# Altium PCB bio_dnt_#1.PcbDoc (part 1 of 2) (continued)
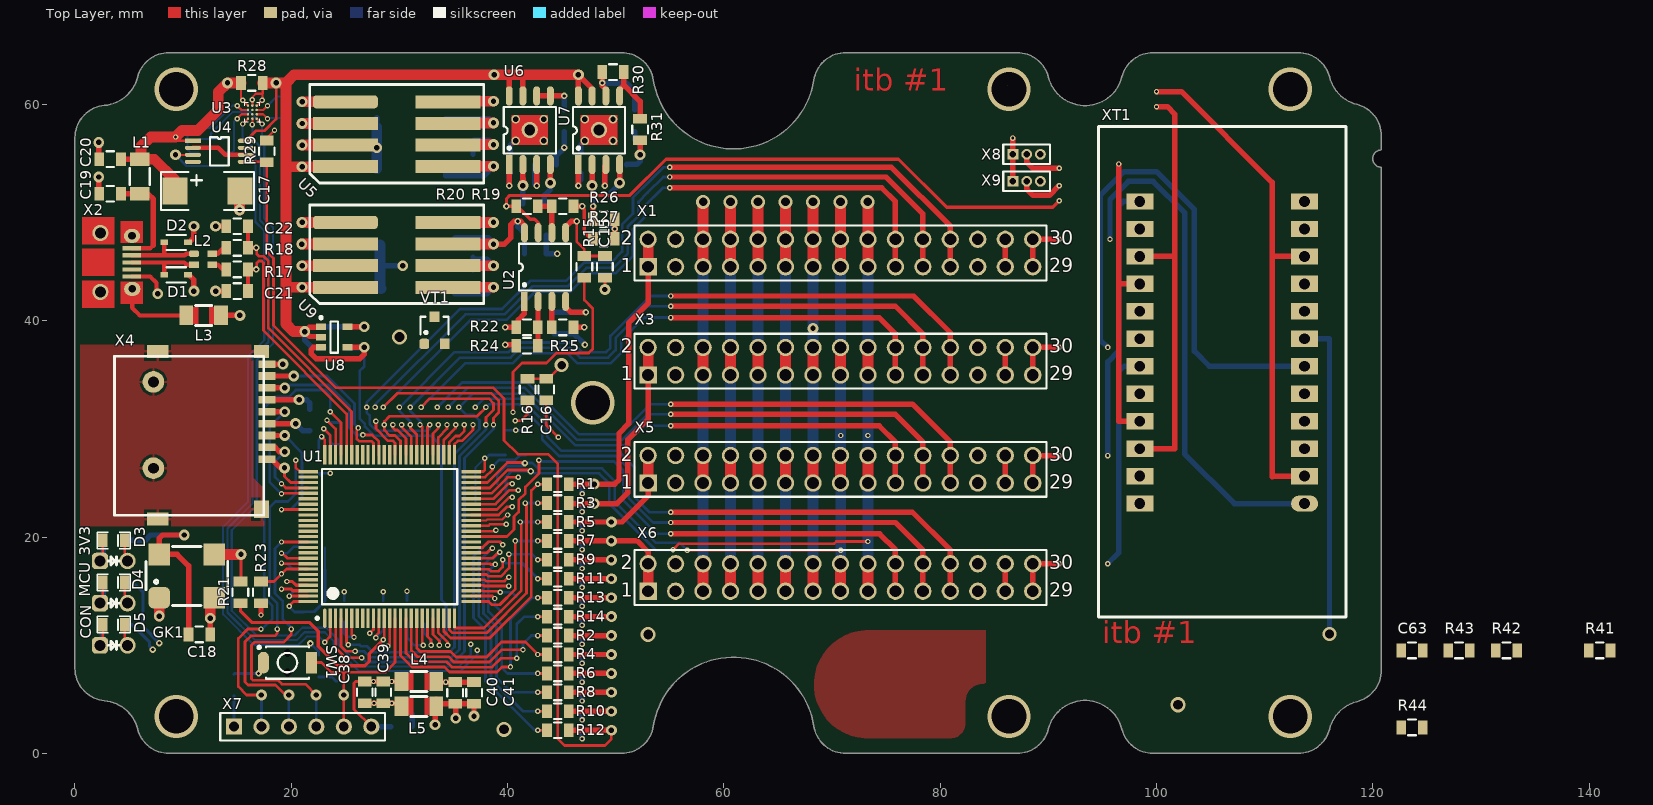
[diagram p0: Top Layer view]
## Footprints (in the part's own frame and the unit in brackets; to place one, negate y for a bottom-side part, rotate by r counter-clockwise, add the part's x,y. Pads: shape width x height; smd on the part's side, far side on the other; paste and mask are expansions set on the pad) (continued)
C_SMD_SIZE_C [mm]
  rect 2.3x2.5 smd: 1(0,0) 2(6,0)
  silkscreen extent -1.3,-1.75 7.3,1.75, body extent 0,-1.6 6,1.6, height 2.54
C_SMD_size_C [mm]
  rect 2.3x2.5 smd: 1(0,0) 2(6,0)
  silkscreen extent -1.3,-1.75 7.3,1.75, body extent 0,-1.6 6,1.6, height 2.54
CR-0805 [mil]
  rect 35x50 smd: 1(0,0) 2(78.74,0)
  silkscreen extent 26,-29 53,29, body extent 1,-25 80,25, height 17
CR-1206 [mm]
  rect 1.27x1.8 smd: 1(0,0) 2(3.2,0)
  silkscreen extent 0.85,-0.92 2.35,0.92, body extent 0.01,-0.8 3.21,0.8, height 0.51
CR-1206-0805 [mm]
  rect 1.27x1.8 smd: 1(0,0) 2(3.2,0)
  Top Layer region: 2.1,-0.8 2.6,-0.8 2.6,0.8 2.1,0.8
  Top Layer region: 0.6,-0.8 1.1,-0.8 1.1,0.8 0.6,0.8
  silkscreen extent 0.85,-0.92 2.35,0.92, body extent 0,-0.81 3.2,0.81, height 2
DS-1043-24 [mm] "DIP-24 ZIF socket"
  oval 1.5x2.5 hole 1: 1(0,0)
  rect 1.5x2.5 hole 1: 2(2.54,0) 3(5.08,0) 4(7.62,0) 5(10.16,0) 6(12.7,0) 7(15.24,0) 8(17.78,0) 9(20.32,0) 10(22.86,0) 11(25.4,0) 12(27.94,0) 13(27.94,15.24) 14(25.4,15.24) 15(22.86,15.24) 16(20.32,15.24) 17(17.78,15.24) 18(15.24,15.24) 19(12.7,15.24) 20(10.16,15.24) 21(7.62,15.24) 22(5.08,15.24) 23(2.54,15.24) 24(0,15.24)
  silkscreen extent -10.49,-3.83 34.88,19.07, body extent -10.5,-4.82 34.8,19.07, height 23.1
DSBGA-12 [mm] "1.65x1.39x0.62"
  round 0.225 smd mask+0.05: A1(0,0) A2(0.4,0) A3(0.8,0) B1(0,-0.4) B2(0.4,-0.4) B3(0.8,-0.4) C1(0,-0.8) C2(0.4,-0.8) C3(0.8,-0.8) D1(0,-1.2) D2(0.4,-1.2) D3(0.8,-1.2)
  silkscreen extent -0.35,-1.5 1.1,0.35, body extent -0.2,-1.4 1,0.21, height 0.66
HDR1X6 [mm] "Connector; Header; 6 Position"
  rect 1.5x1.5 hole 0.9: 1(0,0)
  round 1.5 hole 0.9: 2(2.54,0) 3(5.08,0) 4(7.62,0) 5(10.16,0) 6(12.7,0)
  silkscreen extent -1.27,-1.27 13.97,1.27
HDR2X15 [mm] "Connector; Header; 15x2 Position"
  rect 1.6x1.6 hole 1.1: 1(0,0)
  round 1.6 hole 1.1: 2(0,2.54) 3(2.54,0) 4(2.54,2.54) 5(5.08,0) 6(5.08,2.54) 7(7.62,0) 8(7.62,2.54) 9(10.16,0) 10(10.16,2.54) 11(12.7,0) 12(12.7,2.54) 13(15.24,0) 14(15.24,2.54) 15(17.78,0) 16(17.78,2.54) 17(20.32,0) 18(20.32,2.54) 19(22.86,0) 20(22.86,2.54) 21(25.4,0) 22(25.4,2.54) 23(27.94,0) 24(27.94,2.54) 25(30.48,0) 26(30.48,2.54) 27(33.02,0) 28(33.02,2.54) 29(35.56,0) 30(35.56,2.54)
  silkscreen extent -1.27,-1.27 36.83,3.81
LED-0805 [mil]
  rrect50% 60x60 hole 40: 1(-10,-75)
  rect 35x50 smd: 1(0,0) 2(80,0)
  round 60 hole 40: 2(90,-75)
  Top Layer lines w10: 0,-65 0,0 ; 80,-65 80,0
  silkscreen extent -20,-90 100,30, body extent 1,-25 80,25, height 43
LQFP100 [mm] "100-pin 14x14 mm low-profile quad package"
  oval 1.8x0.3 smd: 1(0,0)
  rect 1.8x0.3 smd: 2(0,-0.5) 3(0,-1) 4(0,-1.5) 5(0,-2) 6(0,-2.5) 7(0,-3) 8(0,-3.5) 9(0,-4) 10(0,-4.5) 11(0,-5) 12(0,-5.5) 13(0,-6) 14(0,-6.5) 15(0,-7) 16(0,-7.5) 17(0,-8) 18(0,-8.5) 19(0,-9) 20(0,-9.5) 21(0,-10) 22(0,-10.5) 23(0,-11) 24(0,-11.5) 25(0,-12) 51(15.1,-12) 52(15.1,-11.5) 53(15.1,-11) 54(15.1,-10.5) 55(15.1,-10) 56(15.1,-9.5) 57(15.1,-9) 58(15.1,-8.5) 59(15.1,-8) 60(15.1,-7.5) 61(15.1,-7) 62(15.1,-6.5) 63(15.1,-6) 64(15.1,-5.5) 65(15.1,-5) 66(15.1,-4.5) 67(15.1,-4) 68(15.1,-3.5) 69(15.1,-3) 70(15.1,-2.5) 71(15.1,-2) 72(15.1,-1.5) 73(15.1,-1) 74(15.1,-0.5) 75(15.1,0)
  rect 0.3x1.8 smd: 26(1.55,-13.55) 27(2.05,-13.55) 28(2.55,-13.55) 29(3.05,-13.55) 30(3.55,-13.55) 31(4.05,-13.55) 32(4.55,-13.55) 33(5.05,-13.55) 34(5.55,-13.55) 35(6.05,-13.55) 36(6.55,-13.55) 37(7.05,-13.55) 38(7.55,-13.55) 39(8.05,-13.55) 40(8.55,-13.55) 41(9.05,-13.55) 42(9.55,-13.55) 43(10.05,-13.55) 44(10.55,-13.55) 45(11.05,-13.55) 46(11.55,-13.55) 47(12.05,-13.55) 48(12.55,-13.55) 49(13.05,-13.55) 50(13.55,-13.55) 76(13.55,1.55) 77(13.05,1.55) 78(12.55,1.55) 79(12.05,1.55) 80(11.55,1.55) 81(11.05,1.55) 82(10.55,1.55) 83(10.05,1.55) 84(9.55,1.55) 85(9.05,1.55) 86(8.55,1.55) 87(8.05,1.55) 88(7.55,1.55) 89(7.05,1.55) 90(6.55,1.55) 91(6.05,1.55) 92(5.55,1.55) 93(5.05,1.55) 94(4.55,1.55) 95(4.05,1.55) 96(3.55,1.55) 97(3.05,1.55) 98(2.55,1.55) 99(2.05,1.55) 100(1.55,1.55)
  silkscreen extent -0.12,-12.25 13.8,0.82, body extent -0.52,-14.07 15.62,2.07, height 1.62
MHDR1X3 [mm] "Connector; Header; 3 Position"
  rect 1x1 hole 0.6: 1(0,0)
  round 1 hole 0.6: 2(1.27,0) 3(2.54,0)
  silkscreen extent -0.9,-0.9 3.44,0.9
MSOP-8 [mm]
  rect 1.5x0.38 smd: 1(0,0)
  oval 1.5x0.38 smd: 2(0,-0.65) 3(0,-1.3) 4(0,-1.95) 5(4.9,-1.95) 6(4.9,-1.3) 7(4.9,-0.65) 8(4.9,0)
  silkscreen extent 1.58,-2.28 3.32,0.33, body extent -0.06,-2.47 4.96,0.53, height 12
"SD-CARD HOLDER" [mm] "SD-card"
  rect 0.7x1.6 smd: 1(2.225,10.5) 2(1.125,10.5) 3(0.025,10.5) 4(-1.075,10.5) 5(-2.175,10.5) 6(-3.275,10.5) 7(-4.375,10.5) 8(-5.475,10.5) Gd(-6.575,10.5)
  rect 1.2x1.4 smd: MP0(-7.75,10)
  rect 1.2x2 smd: MP0(-7.75,0.4) MP0(7.75,0.4)
  round 2 hole 1: MP0(-4.93,0) MP0(3.05,0)
  rect 1.6x1.4 smd: MP0(6.85,10)
  silkscreen extent -7.3,-3.6 7.4,10.2, body extent -8,-3.97 8,11.27, height 1.93
SJMP-3 [mm]
  rect 1.2x1 smd: 1(0,0) 2(0,1.25) 3(0,2.5)
  silkscreen extent -0.8,-0.7 0.8,3.2
SOD-323 [mm] "SC-76 plastic surface mounted package; 2 leads"
  rect 0.5x0.7 smd: 1(0,0) 2(0,2.2)
  silkscreen extent -0.7,0.2 0.7,2, body extent -0.68,-0.2 0.67,2.4, height 1.1
SOIC-8 [mil]
  rect 23.62x70 smd: 1(0,0)
  oval 25x70 smd: 2(50,0) 3(100,0) 4(150,0) 5(150,250) 6(100,250) 7(50,250) 8(0,250)
  silkscreen extent -20,40 170,210, body extent -31,-41 181,289, height 90
"SOIC-8 + EXPOSED PAD" [mm]
  round 0.8 hole 0.5: 0(0.6,2.2) 0(0.6,4.2) 0(3.2,2.2) 0(3.2,4.2)
  round 1.5 hole 1: 0(1.9,3.2)
  rect 0.6x1.778 smd: 1(0,0)
  oval 0.635x1.778 smd: 2(1.27,0) 3(2.54,0) 4(3.81,0) 5(3.81,6.35) 6(2.54,6.35) 7(1.27,6.35) 8(0,6.35)
  Top Layer region: 0.2,1.8 3.6,1.8 3.6,4.6 0.2,4.6
  silkscreen extent -0.51,1.02 4.32,5.33, body extent -0.79,-1.05 4.59,7.35, height 2.28
SOT-23 [mm]
  rrect50% 0.9x0.95 smd: 1(-0.95,-1.25)
  rect 0.9x0.95 smd: 2(0.95,-1.25) 3(0,1.25)
  silkscreen extent -1.3,-0.38 1.3,1.25, body extent -1.5,-1.25 1.5,1.25, height 1.08
"TDN 5 WISM" [mm] "DC/DC converter case"
  rect 6x1.2 smd: 1(0,-6) 2(0,-4) 3(0,-2) 5(9.5,-6) 6(9.5,-4) 7(9.5,-2) 8(9.5,0)
  rrect50% 6x1.2 smd: 4(0,0)
  silkscreen extent -3.3,-7.5 12.8,1.6, body extent -2.41,-7.54 11.79,1.56, height 10.13
TSOT-5 [mm]
  rect 0.95x0.6 smd: 1(0,0) 2(0,-0.95) 3(0,-1.9) 4(2.45,-1.9) 5(2.45,0)
  silkscreen extent -0.12,-2.4 1.58,0.97, body extent -0.28,-2.5 2.72,0.6, height 1.1
TVAF06 [mm] "2-Pin Switch, Push Button, SMD, Body 2.9 x 3.9 mm"
  oval 1.05x2 smd: 1(0,0)
  rect 1.05x2 smd: 2(4.45,0)
  round 0.4 hole 0.75 unplated: MH1(2.225,0.9) MH2(2.225,-0.9)
  silkscreen extent -0.52,-1.5 4.23,1.52, body extent 0.22,-1.5 4.23,1.5, height 2
"USB MICRO-BF" [mm]
  round 1.5 hole 1 mask+0.3: 0(-2.725,-2.9) 0(2.725,-2.9)
  oval 1.3x1.5 hole 0.7: 0(-2.45,0.025) 0(2.45,0.05)
  rect 0.4x1.75 smd: 1(-1.3,0) 2(-0.65,0) 3(0,0) 4(0.65,0) 5(1.3,0)
  Top Layer region: -2.3,-2
  Top Layer region: -1.8,1 -1.8,-1 -3.8,-1 -3.8,1
  Top Layer region: 3.8,1 3.8,-1 1.8,-1 1.8,1
  Top Layer region: -1.7,-1.6 -1.7,-4.6 -4.2,-4.6 -4.2,-1.6
  Top Layer region: 1.7,-1.6 1.7,-4.6 4.2,-4.6 4.2,-1.6
  Top Layer region: -1.25,-1.6 -1.25,-4.6 1.25,-4.6 1.25,-1.6
  body extent -4.02,-5.75 4.02,0.28, height 2.85

## Part data
C1 C2 C3 C4 C5 C6 C7 C8 C9 C10 C11 C12 C13 C14 C15 C16 C18 C19 C20 C21 C22 C23 C24 C25 C26 C27 C28 C29 C30 C31 C32 C33 C34 C35 C36 C37 C38 C39 C40 C41 C42 C43 C45 C47 C48 C49 C50 C51 C52 C53 C54 C55 C56 C57 C59 C61 C62 C63: library part C_smd, "Конденсатор для поверхностного монтажа", Назначение=Чип-конденсатор, Наименование="К10-79 МП0 «ВП»", Потребление, Вт=0
C17 C44 C46 C58 C60: library part C_pol_smd, "Поляризованный конеднсатор для поверхностного монтажа", Назначение="Поляризованный чип-конденсатор", Наименование="К53-68 «ВП»", Потребление, Вт=0
D1 D2: library part PESD5V0S, "Low capacitance bidirectional ESD protection diodes", Назначение="ESD защитные диоды", Наименование=PESD5V0S1BA, Потребление, Вт=0,000
GK1: library part "Crystall Oscillator", Назначение="Кварцевый генератор 7x5мм 20 МГц", Наименование=VCC1-B3B-10M, Потребление, Вт=0,01
L1 L3 L4 L5: library part L_smd, "Индуктивность для поверхностнгого монтажа", Назначение=Чип-индуктивность, Наименование=Индуктивность, Потребление, Вт=0,010
L2: library part ACM2012_USB_CM_FILTER, "USB common mode filter", Назначение="Связанная индуктивность", Наименование=ACM2012-900-2P, Потребление, Вт=0,001
R1 R2 R3 R4 R5 R6 R7 R8 R9 R10 R11 R12 R13 R14 R15 R16 R17 R18 R19 R20 R21 R22 R23 R24 R25 R26 R27 R28 R29 R30 R31 R32 R33 R34 R35 R36 R37 R38 R39 R40 R41 R42 R43 R44: library part R_smd, "Резистор для поверхностного монтажа", Назначение=Чип-резистор, Наименование="Р1-12-0.125 ОСМ", Потребление, Вт=0,001
SW1: library part Push_Button, Назначение="Push button", Наименование=TVAF06, Потребление, Вт=0,001
U1: library part STM32F405VGT, "ARM Cortex-M4 32-bit MCU+FPU, 210 DMIPS, 1024 kB Flash, 192 kB Internal RAM, 82 I/Os, 100-pin LQFP, -40 to 105 degC, Tray", I/Os (High Current)=82, Manufacturer=STMicroelectronics, Operating Frequency(F) (Processor speed) (MHz)=168, Supply Voltage(Vcc) max (V)=3.6, Supply Voltage(Vcc) min (V)=1.8, ComponentLink1Description="Manufacturer URL", ComponentLink1URL=http://www.st.com/web/en/home.html, ComponentLink2Description=Datasheet, ComponentLink2URL=http://www.st.com/st-web-ui/static/active/en/resource/technical/document/datasheet/DM00037051.pdf, ComponentLink3Description="Package Specification", ComponentLink3URL=http://www.st.com/st-web-ui/static/active/en/resource/technical/document/data_brief/DM00071938.pdf, Core="ARM Cortex-M4", D/A Converter=2x12-bit, DatasheetVersion="Rev. 4", FLASH Size (Prog) (kB)=1024, Internal RAM Size (kB)=192, Mounting Technology="Surface Mount", PackageDescription="100-Pin Low Profile Quad Flat Package, 14 x 14 mm Body, 0.5 mm Pitch", PackageReference=LQFP100, PackageVersion="Rev. 1, 06/2013", Packing=Tray, PartNumber=STM32F405VGT7, Назначение=Микроконтроллер, Наименование=STM32F405VGT7
U2: library part ADA4062-2, "Double Channel Low Supply Current Operational Amplifier, 1.4 MHz BW, 3.3 V/us SR, Industrial, 8-pin SOIC (R-8), Tube", Amplifiers Per Package=2, Input Bias Current=2pA, Input Offset Voltage=500uV, Manufacturer="Analog Devices", Code_JEDEC=MS-012-AA, ComponentLink1Description="Manufacturer URL", ComponentLink1URL=http://www.analog.com/en/index.html, ComponentLink2Description=Datasheet, ComponentLink2URL=http://www.analog.com/static/imported-files/data_sheets/ADA4062-2_4062-4.pdf, ComponentLink3Description="Package Specification", ComponentLink3URL=http://www.analog.com/static/imported-files/packages/PKG_PDF/SOIC_Narrow%20(R)/R_8.pdf, ComponentLink4Description="URL Link1", ComponentLink4URL="Reference Circuit:http://www.analog.com/en/all-operational-amplifiers-op-amps/operational-amplifiers-op-amps/ada4062-2/products/product.html#product-recommendations", DatasheetVersion="Rev. B", Generic Part Number=ADA4062-2, Iq/Amp=165uA, Mounting Technology="Surface Mount", PackageDescription="8-Pin Standard Small Outline Package, Body 3.9 x 4.9 mm, Pitch 1.27 mm", PackageReference=R-8, PackageVersion=060506-A, PartNumber=ADA4062-2ARZ, Slew Rate=3.3V/us, Small Signal Bandwidth=1.4MHz, V Span Max=36V, V Span Min=8V, Назначение="Сдвоенный операционный усилитель", Наименование=ADA4062-2
U3: "High- or Low-Side Measurement, Bidirectional Current and Power Monitor With 1.8-V I2C Interface", Назначение="Монитор параметров питания", Наименование=INA231, Потребление, Вт=0,001
U4: "Current Shunt Monitor", Назначение="Токовый датчик", Наименование=AD8212, Потребление, Вт=0,01
U5 U9: "DC/DC converter", Назначение="DC-DC преобразователь"
  U5: Наименование="TDN 5-0921 WISM"
  U9: Наименование="TDN 5-0923 WISM"
U6: "800 mA Ultralow Noise, High PSRR, RF Linear Regulator", Назначение="Линейный регулятор", Наименование=ADM7150ARDZ-3.3, Потребление, Вт=0,1
U7: "800 mA Ultralow Noise, High PSRR, Adjustable, RF Linear Regulator", Назначение="Линейные регулятор, подстраевыемый", Наименование=ADM7151ARDZ, Потребление, Вт=0,1
U8: library part ADR39x, "Micropower, Low Noise Precision Voltage Reference with Shutdown, 2.5 V Output, 2.8 to 15 V Supply, Industrial, 5-pin SOT23 (UJ-5), Reel", Manufacturer="Analog Devices", Operating Temp Range="-40 to 125 degC", PartNumber=ADR391BUJZ-REEL7, Code_JEDEC=MO-193-AB, ComponentLink1Description="Manufacturer URL", ComponentLink1URL=http://www.analog.com/en/index.html, ComponentLink2Description=Datasheet, ComponentLink2URL=http://www.analog.com/static/imported-files/data_sheets/ADR391_392_395.pdf, ComponentLink3Description="Package Specification", ComponentLink3URL=http:/www.analog.com/static/imported-files/packages/PKG_PDF/TSOT(UJ)/UJ_5.pdf, ComponentLink4Description="URL Link1", ComponentLink4URL="Product URL:http://www.analog.com/en/special-linear-functions/voltage-references/adr391/products/product.html", DatasheetVersion="Rev. H", Max V Supply (V)=15, Min V Supply (V)=2.8, Mounting Technology="Surface Mount", PackageDescription="5-Pin Thin Small Outline Transistor Package, Body 2.9 x 1.6 mm, Pitch 0.95 mm", PackageReference=UJ-5, PackageVersion="100708-A, 10/2008", Packing=Reel, Ref Out TC (ppm/C)=9, Vout=2.5, Назначение="Источник опорного напряжения", Наименование=ADR390, Потребление, Вт=0,001
VT1: "General Purpose Transistor, NPN Silicon, 3-Pin SC70, Tape and Reel", Manufacturer="On Semiconductor", ComponentLink1Description="Manufacturer URL", ComponentLink1URL=http://www.onsemi.com/, ComponentLink2Description=Datasheet, ComponentLink2URL=http://www.onsemi.cn/pub_link/Collateral/BC846AWT1-D.PDF, ComponentLink3Description="Package Specification", ComponentLink3URL=http://www.onsemi.cn/pub_link/Collateral/419-04.PDF, DatasheetVersion="Rev. 9", fT Min (MHz)=100, IC Continuous (A)=0.1, Mounting Technology="Surface Mount", Note1=0, PackageDescription="3-Pin Small Outline Transistor, Body 2 x 1.25 mm, Pitch 0.65 mm", PackageReference=SC-70-3-419-04, PackageVersion="Rev. N, 11/2008", Packing="Tape and Reel", PartNumber=BC846BWT1, Polarity=NPN, RoHS=FALSE, Назначение="Транзистор NPN", Наименование=BC846W, Потребление, Вт=0,01
X1 X3 X5 X6: "Header, 15-Pin, Dual row", LatestRevisionDate=17-Jul-2002, LatestRevisionNote="Re-released for DXP Platform.", Publisher="Altium Limited", Назначение="Вилка штыревая 2.54мм 2х15 прямая", Наименование=PLD-30
X2: library part MicroUSB, "USB mico-BF", Назначение="Разъем на плату", Наименование=Micro-BF
X4: library part "SD-card holder", "SD-card holder", Назначение="Слот под SD-карту", Наименование=SD-card
X7: "Header, 6-Pin", LatestRevisionDate=17-Jul-2002, LatestRevisionNote="Re-released for DXP Platform.", Publisher="Altium Limited", Назначение="Отладочный разъем", Наименование=PLS-6
X8 X9 X10 X11: "Header, 3-Pin", LatestRevisionDate=17-Jul-2002, LatestRevisionNote="Re-released for DXP Platform.", Publisher="Altium Limited", Назначение="Вилка штыревая 2мм 1х3 прямая", Наименование=PLS2-3
XT1: "DIP-24 Zero Insertion Force (ZIF) socket", Назначение="Панель с нулевым усилием (ZIF) для DIP-24", Наименование=DS-1043-24
D3 D4 D5: Назначение=Светодиод, Наименование=SMD-LED, Потребление, Вт=0,01

## Via types
v1: diameter 0.5, hole 0.25, Top Layer to Bottom Layer, 175 vias
v2: diameter 1, hole 0.5, Top Layer to Bottom Layer, 76 vias
v3: diameter 0.6, hole 0.3, Top Layer to Bottom Layer, 27 vias
v4: diameter 1.3, hole 0.8, Top Layer to Bottom Layer, 9 vias
v5: diameter 4, hole 3.2, Top Layer to Bottom Layer, 7 vias
v6: diameter 1.4, hole 0.9, Top Layer to Bottom Layer, 4 vias

## Nets (pads, with @x,y where several pads share a name; then routed paths per layer and width w, separated by ;. In a path a pad name is that pad's centre, name@x,y a point inside that pad or via, vN(x,y) a via of type N, cw(c..) or ccw(c..) an arc to the next point about the centre after c; other vN are vias at no path point)
10MHz: GK1.3 R21.2 | length 4.8
  Top Layer w0.3: R21.2@15.35,15.95 v2(15.35,18.4)
  Top Layer w1: GK1.3@13,18.4 v2(15.35,18.4)
+0V15: C63.2 R24.2 R26.2 R27.2 X1.9 X1.10 X3.9 X3.10 X5.9 X5.10 X6.9 X6.10 | length 72.1
  Top Layer w0.5: v3(39.794,37.8) 40.7,37.8 R24.2@40.8,37.7 ; R27.2@49.9,47.7 R26.2@49.9,49.4
  Top Layer w1: X6.9@63.16,15 X6.10@63.16,17.54 ; X5.9@63.16,25 X5.10@63.16,27.54 ; X3.9@63.16,35 X3.10@63.16,37.54 ; X1.9@63.16,45 X1.10@63.16,47.54 v4(63.16,51)
  Signal Layer w0.5: v3(39.794,37.8) 39,38.594 39,40.3 40.6,41.9 44.8,41.9 49.9,47 v3(49.9,48.5) 49.9,48.6 51.1,49.8 61.96,49.8 v4(63.16,51)
  Bottom Layer w0.5: 49.6,49.4 49.6,48.8 v3(49.9,48.5)
  Bottom Layer w1: X6.10@63.16,17.54 X5.9@63.16,25 ; X5.10@63.16,27.54 X3.9@63.16,35 ; X3.10@63.16,37.54 X1.9@63.16,45
+2V048_ref: C30.2 C56.2 U1.21 U8.3 U8.4 X1.13 X1.14 X3.13 X3.14 X5.13 X5.14 X6.13 X6.14 | length 127.1
  Top Layer w0.25: U1.21@33.1,12.5 33.1,11 33.7,10.4 v1@33.7,10.05
  Top Layer w0.5: U8.3@22.75,37.55 22.05,37.55 21.85,37.35 21.85,36.95 22.29,36.51 26.335,36.51 26.75,36.925 v2(26.75,37.55) U8.4@25.2,37.55
  Top Layer w1: X6.13@68.24,15 X6.14@68.24,17.54 ; X5.13@68.24,25 X5.14@68.24,27.54 ; X3.13@68.24,35 X3.14@68.24,37.54 ; X1.13@68.24,45 X1.14@68.24,47.54 v4(68.24,51)
  Signal Layer w0.5: v2(26.75,37.55) 28.1,36.2 40.6,36.2 43,38.6 50.475,38.6 51.175,39.3 v2(68.24,39.3) 68.24,39.26 v2@68.3,39.2
  Signal Layer w1: X6.13@68.125,14.885 X6.13@68.24,15
  Bottom Layer w0.25: v2(26.75,37.55) 26.75,35.775 26.325,35.35 26.325,30.95 26.8,30.475 26.8,30.225 27.65,29.375 32.925,29.375 33.9,28.4 33.9,14.2 34.3,13.8 C30.2@34.3,12 34.3,11.1 33.7,10.5 v1(33.7,10)
  Bottom Layer w0.5: C56.2@25.2,37.525 26.725,37.525 v2(26.75,37.55)
  Bottom Layer w1: X6.14@68.24,17.54 X5.13@68.24,25 ; X5.14@68.24,27.54 X3.13@68.24,35 ; X3.14@68.24,37.54 v2(68.24,39.3) X1.13@68.24,45
+3V3: C18.2 C29.2 C31.2 C32.2 C33.2 C34.2 C35.2 C36.2 C37.2 C38.2 C39.2 C42.2 C50.2 C61.2 GK1.1 GK1.4 L4.1 R32.1 R33.1 R34.1 R35.1 R36.1 R39.1 U1.6 U1.11 U1.19 U1.28 U1.50 U1.75 U1.100 U3.B1 U6.2 X4.4 X7.6 | length 243.2
  Top Layer w0.2: U3.B1@16.8,59.1 17.4,59.1 v1(17.8,58.7)
  Top Layer w0.25: v1(19.8,13.6) 19.8,13.65 20.2,14.05 U1.100@21.55,14.05 ; v1(22.8,29.3) 23.1,29 U1.75@23.1,27.6 ; U1.6@25.6,12.5 25.6,11 25.8,10.8 v1(25.8,10.75) ; C38.2@26.8,6.65 25.946,6.65 25.8,6.504 25.8,4.08 X7.6@27.4,2.48 ; v1(27.825,10.7) 27.825,10.9 28.1,11.175 U1.11@28.1,12.5 ; U1.19@32.1,12.5 32.1,10.15 v1@32.2,10.05 ; U1.28@36.65,15.05 37.7,15.05 37.75,15 39.225,15 v1(39.325,14.9) ; U1.50@36.65,26.05 36.675,26.075 37.754,26.075 37.9,26.221 v1(37.9,27.3)
  Top Layer w0.5: v2(10.1,20.2) 8.1,20.2 7.8,19.9 GK1.4@7.8,18.4 9.445,18.4 10.504,17.341 C18.2@10.504,11.2 ; X4.4@17.75,30.5 v2(20.4,30.5) ; C38.2@26.8,6.65 v1(27.6,6.65) C39.2@28.5,6.65 v1(29.3,6.65) L4.1@30.2,6.65 ; v2(41.42,52.5) U6.2@41.42,54.45
  Top Layer w1: v2(7.8,12.7) GK1.1@7.8,14.4 ; GK1.1@7.845,14.45 GK1.1@7.85,14.445
  Signal Layer w0.2: v1(17.8,58.7) 17.9,58.7 18.775,59.575 18.775,60.675 20.3,62.2 22.2,62.2
  Signal Layer w0.25: 21.7,29.2 22.166,29.2 22.218,29.252 22.752,29.252 v1(22.8,29.3) ; 36.9,27.3 v1(37.9,27.3)
  Signal Layer w0.3: v1(27.825,10.7) 28.2,11.075 28.2,13.7
  Signal Layer w0.4: 36,15.3 38.85,15.3 39.25,14.9 v1(39.325,14.9)
  Signal Layer w0.5: v1(19.8,13.6) 20.68,13.6 21.7,14.62 ; v1(25.8,10.75) 25.8,13.7 ; 30.3,10 v1(32.2,10) ; 37.2,52.5 38,51.7 40.62,51.7 v2(41.42,52.5) 40.62,53.3 38,53.3 37.2,52.5
  Signal Layer w1.5: v2(7.8,12.7) 7.8,17.9 v2(10.1,20.2) 14.05,20.2 14.85,21 21.7,21 ; v2(20.4,30.5) 21.7,29.2 21.7,26.4 ; 22.2,62.2 23.35,61.05 23.35,54.3 25.15,52.5 32.5,52.5 ; v1(27.6,6.65) v1(29.3,6.65) 30.3,7.65 30.3,10 30.3,13.7 ; 36.9,27.3 36,26.4 36,15.3 34.4,13.7 30.3,13.7 ; 37.2,52.5 32.5,52.5 ; 21.7,21 21.7,26.4 ; 21.7,21 21.7,14.62 22.62,13.7 25.8,13.7 28.2,13.7 30.3,13.7 ; 21.7,26.4 24.9,29.6 24.9,44.9 32.5,52.5
  Bottom Layer w0.2: v1(17.8,58.7) 17.85,58.75 C42.2@19.25,58.75 ; R34.1@23.125,17 R35.1@23.125,19.05 ; R33.1@37.05,23.275 R32.1@37.05,24.95 37.05,26.45 v1(37.9,27.3)
  Bottom Layer w0.25: v1(19.8,13.6) 20.314,13.086 21.186,13.086 C32.2@21.2,13.1 22.125,13.1 23.125,14.1 R34.1@23.125,17 ; C31.2@22.55,27.9 22.55,28.95 22.6,29 22.6,29.032 22.8,29.232 v1(22.8,29.3) ; C36.2@24.9,12.15 24.86,12.11 24.86,11.1 25.175,10.785 25.765,10.785 v1(25.8,10.75) ; v1(27.825,10.7) 28.5,11.375 C33.2@28.5,12.15 ; C29.2@29.18,2.48 C29.2@29.2,2.5 ; C34.2@30.7,12.15 30.7,10.7 31.4,10 v1(32.2,10) ; v1(37.9,27.3) 37.968,27.3 38.088,27.421 38.121,27.421 38.3,27.6 C37.2@39.8,27.6 ; v1(39.325,14.9) 40.4,14.9 C35.2@40.8,14.5
  Bottom Layer w0.5: R36.1@4.6,19.7 6.5,19.7 7,20.2 v2(10.1,20.2) v2@10.2,20.3 ; v2(20.4,30.5) 21.075,29.825 C61.2@21.7,29.825 ; R39.1@26.85,6.675 26.875,6.65 v1(27.6,6.65) ; X7.6@27.4,2.48 C29.2@29.18,2.48 ; C50.2@41.4,50.8 41.42,50.82 v2(41.42,52.5)
+3V3A: C40.2 C41.2 L4.2 U1.22 | length 9.8
  Top Layer w0.25: U1.22@33.6,12.5 33.6,11.15 34.45,10.3 v1@34.45,10.075
  Top Layer w0.5: L4.2@33.4,6.65 33.45,6.6 v1(34.275,6.6) C40.2@35.15,6.6 C41.2@36.9,6.6 ; L4.2@33.4,7.3 L4.2@33.45,7.25
  Signal Layer w0.5: v1(34.275,6.6) 34.275,8.125 34.45,8.3 v1(34.45,10)
+5V: C43.2 C44.1 U5.7 X1.5 X1.6 X3.5 X3.6 X5.5 X5.6 X6.5 X6.6 | length 74.4
  Top Layer w1: U5.7@34.5,58.3 v2(38.7,58.3) ; X6.5@58.08,15 X6.6@58.08,17.54 ; X5.5@58.08,25 X5.6@58.08,27.54 ; X3.5@58.08,35 X3.6@58.08,37.54 ; X1.5@58.08,45 X1.6@58.08,47.54 v4(58.08,51)
  Signal Layer w0.5: 40,55.3 39.8,55.3 ; 39.8,55.3 38.2,55.3 37.6,55.9 37.6,57.2 v2(38.7,58.3) 39.8,57.2 39.8,55.3
  Signal Layer w1: 40,55.4 41.5,55.4 41.9,55 50.2,55 54.2,51 v4(58.08,51)
  Bottom Layer w0.5: C44.1@34.3,57.9 34.3,58.7 C43.2@36.8,58.7 38.3,58.7 v2(38.7,58.3)
  Bottom Layer w1: X6.6@58.08,17.54 X5.5@58.08,25 ; X5.6@58.08,27.54 X3.5@58.08,35 ; X3.6@58.08,37.54 X1.5@58.08,45
+30V: C25.2 C26.2 C57.2 C58.1 U2.8 U9.7 | length 16.8
  Top Layer w0.5: v2(38.7,47.1) 39.7,47.1 40.3,47.7 40.3,48.9 40.6,49.2 v3(40.93,49.2) 41.2,49.2 41.56,48.84 U2.8@41.56,48.15
  Top Layer w1: U9.7@34.5,47.1 v2(38.7,47.1)
  Bottom Layer w0.5: C58.1@34.9,47.4 35.2,47.7 C57.2@36.8,47.7 38.2,47.7 v2@38.7,47.2 ; v3@40.949,49.181 40.949,48.704 41.563,48.091 C26.2@41.563,47.9 C25.2@41.563,46.2
-0V15: R22.1 U2.1 X1.11 X1.12 X3.11 X3.12 X5.11 X5.12 X6.11 X6.12 X8.1 X9.1 | length 98.6
  Top Layer w0.5: v3(39.794,39.4) R22.1@40.8,39.4 40.8,39.59 40.995,39.785 40.995,40.1 41.56,40.666 U2.1@41.56,41.8 ; v1(86.7,56.9) 86.7,52.93 X9.1@86.73,52.9
  Top Layer w1: X6.11@65.7,15 X6.12@65.7,17.54 ; X5.11@65.7,25 X5.12@65.7,27.54 ; X3.11@65.7,35 X3.12@65.7,37.54 ; X1.11@65.7,45 X1.12@65.7,47.54 v4(65.7,51)
  Signal Layer w0.5: v3(39.794,39.4) 41.494,41.1 45.2,41.1 51,46.9 51,48.1 52,49.1 63.8,49.1 v4(65.7,51) 71.6,56.9 v1(86.7,56.9)
  Bottom Layer w1: X6.12@65.7,17.54 X5.11@65.7,25 ; X5.12@65.7,27.54 X3.11@65.7,35 ; X3.12@65.7,37.54 X1.11@65.7,45
-5V: C27.2 C28.2 C45.1 C46.2 U2.4 U5.5 X1.7 X1.8 X3.7 X3.8 X5.7 X5.8 X6.7 X6.8 | length 124.5
  Top Layer w0.5: U2.4@45.37,41.8 45.37,41.265 45.835,40.8 v3(47.25,40.8)
  Top Layer w1: U5.5@34.5,54.3 v2(38.7,54.3) ; X6.7@60.62,15 X6.8@60.62,17.54 ; X5.7@60.62,25 X5.8@60.62,27.54 ; X3.7@60.62,35 X3.8@60.62,37.54 ; X1.7@60.62,45 X1.8@60.62,47.54 v4(60.62,51)
  Signal Layer w0.5: v2(38.7,54.3) 41,54.3 41.5,53.8 44.5,53.8 45,53.3 45,52.2 40.125,47.325 40.125,42.825 38.1,40.8 38.1,38.3 39.4,37 40.2,37 43.5,40.3 46.1,40.3 46.6,40.8 v3(47.25,40.8)
  Signal Layer w0.8: 37.8,61.6 39.85,61.6 40.25,62 45.6,62 46,61.6
  Signal Layer w1: 37.8,61.6 36.3,60.1 36.3,55.5 37.5,54.3 v2(38.7,54.3) ; 46,61.6 46.6,61 49.8,61 58.1,52.7 58.92,52.7 v4(60.62,51)
  Bottom Layer w0.5: C46.2@34.3,54.4 34.3,53.4 C45.1@36.8,53.4 37.8,53.4 v2(38.7,54.3) ; C27.2@44.3,40.8 45.05,40.8 v3(47.25,40.8)
  Bottom Layer w1: X6.8@60.62,17.54 X5.7@60.62,25 ; X5.8@60.62,27.54 X3.7@60.62,35 ; X3.8@60.62,37.54 X1.7@60.62,45
A0: U3.B3 X11.2 | length 5.3
  Top Layer w0.2: v1(15,58.7) 15.4,59.1 U3.B3@16,59.1
  Bottom Layer w0.2: X11.2@13.725,55.575 14.55,55.575 14.7,55.725 14.7,58.4 v1(15,58.7)
A1: U3.C3 X10.2 | length 9.5
  Top Layer w0.2: v1(15,59.9) 15.4,59.5 U3.C3@16,59.5
  Bottom Layer w0.2: X10.2@11.425,55.575 10.65,55.575 10.4,55.825 10.4,57.475 10.75,57.825 12.475,57.825 14.55,59.9 v1(15,59.9)
ADC_0: C1.2 R1.1 U1.23 | length 23.5
  Top Layer w0.25: U1.23@34.1,12.5 34.1,11.3 34.725,10.675 38.35,10.675 42.2,14.525 42.2,24.306 v1(42.794,24.9) R1.1@43.65,24.9
  Bottom Layer w0.25: v1(42.794,24.9) C1.2@43.65,24.9
ADC_1: C3.2 R3.1 U1.24 | length 21.1
  Top Layer w0.25: U1.24@34.6,12.5 34.6,11.475 34.925,11.15 38.075,11.15 41.75,14.825 41.75,23.025 v1(41.625,23.15) ; v1(42.794,23.15) R3.1@43.65,23.15
  Bottom Layer w0.25: v1(41.625,23.15) v1(42.794,23.15) C3.2@43.65,23.15
ADC_2: C5.2 R5.1 U1.25 | length 18.2
  Top Layer w0.25: U1.25@35.1,12.5 35.125,12.475 35.125,11.6 37.8,11.6 41.275,15.075 41.275,21.3 v1(41.175,21.4) ; v1(42.794,21.4) R5.1@43.65,21.4
  Bottom Layer w0.25: v1(41.175,21.4) v1(42.794,21.4) C5.2@43.65,21.4
ADC_3: C7.2 R7.1 U1.26 | length 13
  Top Layer w0.25: U1.26@36.65,14.05 38.25,14.05 38.55,13.75 39.275,13.75 40.7,15.175 v1(40.7,19.65) ; v1(42.794,19.65) R7.1@43.65,19.65
  Bottom Layer w0.25: v1(40.7,19.65) v1(42.794,19.65) C7.2@43.65,19.65
ADC_4: C9.2 R9.1 U1.31 | length 9.7
  Top Layer w0.25: U1.31@36.65,16.55 38.05,16.55 38.225,16.375 39.375,16.375 40.15,17.15 v1@40.15,18.425 ; v1(42.794,17.9) R9.1@43.65,17.9
  Bottom Layer w0.25: v1@40.15,18.425 42.269,18.425 v1(42.794,17.9) C9.2@43.65,17.9
  other v1: 40.125,18.425
ADC_5: C11.2 R11.1 U1.32 | length 9.5
  Top Layer w0.25: U1.32@36.65,17.05 36.675,17.025 38.275,17.025 38.45,16.85 39.175,16.85 39.55,17.225 v1(39.55,17.9) ; v1(42.794,16.15) R11.1@43.65,16.15
  Bottom Layer w0.25: v1(39.55,17.9) 39.862,17.587 41.357,17.587 v1(42.794,16.15) C11.2@43.65,16.15
ADC_6: C13.2 R13.1 U1.15 | length 23.9
  Top Layer w0.25: U1.15@30.1,12.5 30.1,9.075 31.175,8 34.175,8 34.65,7.525 39.025,7.525 39.5,8 v1(40.275,8) ; v1(42.794,14.4) R13.1@43.65,14.4
  Bottom Layer w0.25: v1(40.275,8) 40.275,8.35 40.275,12.375 42.3,14.4 v1(42.794,14.4) C13.2@43.65,14.4
ADC_7: C14.2 R14.1 U1.16 | length 21.5
  Top Layer w0.25: U1.16@30.6,12.5 30.6,9.275 31.4,8.475 34.35,8.475 34.85,7.975 38.575,7.975 39.4,8.8 v1(40.85,8.8) ; v1(42.794,12.65) R14.1@43.65,12.65
  Bottom Layer w0.25: v1(40.85,8.8) 40.85,11.95 41.55,12.65 v1(42.794,12.65) C14.2@43.65,12.65
ADC_8: C2.2 R2.1 U1.17 | length 18.2
  Top Layer w0.25: U1.17@31.1,12.5 31.1,9.5 31.65,8.95 34.525,8.95 35.025,8.45 38.325,8.45 39.475,9.6 v1(41.425,9.6) ; v1(42.794,10.9) R2.1@43.65,10.9
  Bottom Layer w0.25: v1(41.425,9.6) 41.425,10.125 42.2,10.9 v1(42.794,10.9) C2.2@43.65,10.9
ADC_9: C4.2 R4.1 U1.18 | length 17
  Top Layer w0.25: U1.18@31.6,12.5 31.6,9.75 31.925,9.425 34.725,9.425 35.225,8.925 38.075,8.925 39.45,10.3 41.644,10.3 v1(42.794,9.15) R4.1@43.65,9.15
  Bottom Layer w0.25: v1(42.794,9.15) C4.2@43.65,9.15
ADC_10: C6.2 R6.1 U1.33 | length 17.8
  Top Layer w0.25: U1.33@36.65,17.55 38.375,17.55 38.45,17.475 v1(38.85,17.475) ; v1(42.794,7.4) R6.1@43.65,7.4
  Bottom Layer w0.25: v1(38.85,17.475) 38.225,16.85 38.225,13.125 39.45,11.9 39.45,7.937 39.987,7.4 v1(42.794,7.4) C6.2@43.65,7.4
ADC_11: C8.2 R8.1 U1.34 | length 21.8
  Top Layer w0.25: U1.34@36.65,18.05 38.625,18.05 39.175,18.6 v1(39.275,18.6) ; v1(42.794,5.65) R8.1@43.65,5.65
  Bottom Layer w0.25: v1(39.275,18.6) 38.75,18.075 38.425,18.075 37.775,17.425 37.775,12.925 38.975,11.725 38.975,7.025 40.35,5.65 v1(42.794,5.65) C8.2@43.65,5.65
ADC_12: C10.2 R10.1 U1.35 | length 22.5
  Top Layer w0.25: U1.35@36.65,18.55 38.075,18.55 38.5,18.975 v1(38.6,18.975) ; v1(42.794,3.9) R10.1@43.65,3.9
  Bottom Layer w0.25: v1(38.6,18.975) 38.575,18.975 37.325,17.725 37.325,12.725 38.475,11.575 38.475,6.85 41.425,3.9 v1(42.794,3.9) C10.2@43.65,3.9
ADC_13: C12.2 R12.1 U1.36 | length 27
  Top Layer w0.25: U1.36@36.65,19.05 37.7,19.05 38.225,19.575 39.275,19.575 v1(39.55,19.3) ; v1(42.794,2.15) R12.1@43.65,2.15
  Bottom Layer w0.25: v1(39.55,19.3) 39.275,19.575 38.225,19.575 36.85,18.2 36.85,12.525 37.968,11.407 37.968,6.682 42.5,2.15 v1(42.794,2.15) C12.2@43.65,2.15
ALERT: U1.2 U3.A3 | length 62
  Top Layer w0.2: v1(15.5,58.2) U3.A3@16,58.7
  Top Layer w0.25: v1(23.1,10.293) 23.6,10.793 U1.2@23.6,12.5
  Bottom Layer w0.2: v1(15.5,58.2) 15.5,57 16.7,55.8 16.7,49.134 17.5,48.334 17.5,38.216 16,36.716 16,23.266 13.7,20.966 13.7,12.869 16.544,10.025 20.65,10.025 21.425,10.8 22.593,10.8 v1(23.1,10.293)
CH0_KU0: U1.55 X1.21 X1.22 | length 80
  Top Layer w0.25: U1.55@33.1,27.6 33.1,29.575 33.6,30.075 v1(33.6,30.4)
  Top Layer w0.5: v1(55,53.3) 75,53.3 78.4,49.9 X1.22@78.4,47.54 X1.21@78.4,45
  Signal Layer w0.25: v1(27.75,32) 27.75,31.625 27.25,31.125 27.25,30.475 27.9,29.825 33.375,29.825 33.6,30.05 v1(33.6,30.4)
  Bottom Layer w0.25: v1(27.75,32) 27.75,32.25 36.105,40.605 39.705,40.605 42.3,43.2 45.6,43.2 47.3,44.9 49.8,44.9 51.1,46.2 51.1,48.7 52.1,49.7 52.1,51 52.95,51.85 54.4,53.3 v1(55,53.3)
CH0_KU1: U1.56 X1.23 X1.24 | length 82.6
  Top Layer w0.25: U1.56@32.6,27.6 32.6,30.2 v1(32.8,30.4)
  Top Layer w0.5: v1(55,54.2) 57,54.2 75.5,54.2 80.94,48.76 X1.24@80.94,47.54 X1.23@80.94,45
  Bottom Layer w0.25: v1(32.8,30.4) 32.8,30.05 32.575,29.825 27.875,29.825 27.25,30.45 27.25,31.25 26.969,31.531 26.969,31.994 v1(26.975,32) 26.969,32.006 26.969,32.469 35.6,41.1 39.5,41.1 42.095,43.695 45.385,43.695 47.09,45.4 49.6,45.4 50.6,46.4 50.6,48.91 51.6,49.91 51.6,51.4 53.2,53 54.4,54.2 v1(55,54.2)
CH0_ZERO: U1.3 X1.19 X1.20 | length 116
  Top Layer w0.25: U1.3@24.1,12.5 24.1,9.775 25.025,8.85 v1(26.5,8.85) ; v1(28.5,32) 29.8,33.3 38.5,33.3 39.175,32.625 39.175,31.5 38.7,31.025 v1(38.7,30.4)
  Top Layer w0.5: v1(55,52.3) 74.6,52.3 75.86,51.04 X1.20@75.86,47.54 X1.19@75.86,45
  Bottom Layer w0.25: v1(26.5,8.85) 26.9,8.45 35.05,8.45 36.025,9.425 36.025,27.325 38.7,30 v1(38.7,30.4) ; v1(28.5,32) 36.59,40.09 39.918,40.09 42.513,42.685 45.785,42.685 47.496,44.396 49.996,44.396 51.6,46 51.6,48.5 52.628,49.528 52.628,50.578 54.35,52.3 v1(55,52.3)
CH1_KU0: U1.57 X3.21 X3.22 | length 62.4
  Top Layer w0.25: v1(31.9,30.4) 32.1,30.2 U1.57@32.1,27.6
  Top Layer w0.5: v1(55.1,41.35) 75.85,41.35 78.4,38.8 X3.22@78.4,37.54 X3.21@78.4,35
  Bottom Layer w0.25: v1(31.9,30.4) 31.9,30.75 31,31.65 v1(31,32) 35.6,36.6 40.284,36.6 41.189,37.505 45.795,37.505 46.7,36.6 49.3,36.6 50,37.3 50,38.4 52.95,41.35 v1(55.1,41.35)
CH1_KU1: U1.58 X3.23 X3.24 | length 67
  Top Layer w0.25: v1(31,30.4) 31,30.075 31.6,29.475 U1.58@31.6,27.6
  Top Layer w0.5: v1(55.1,42.3) 77.54,42.3 80.94,38.9 X3.24@80.94,37.54 X3.23@80.94,35
  Bottom Layer w0.25: v1(31,30.4) 31,30.68 30.025,31.655 30.025,31.975 v1(30,32) 35.1,37.1 40.1,37.1 41,38 45.96,38 46.86,37.1 49.1,37.1 49.505,37.505 49.505,38.605 53.2,42.3 v1(55.1,42.3)
CH1_ZERO: U1.4 X3.19 X3.20 | length 98.6
  Top Layer w0.25: U1.4@24.6,12.5 24.6,9.912 25.062,9.45 v1(25.9,9.45) ; v1(32,32) 32.8,32.8 38.275,32.8 38.7,32.375 38.7,31.775 38,31.075 v1(38,30.4)
  Top Layer w0.5: v1(55.1,40.3) 74.36,40.3 75.86,38.8 X3.20@75.86,37.54 X3.19@75.86,35
  Bottom Layer w0.25: v1(25.9,9.45) 26.725,9.45 27.275,8.9 34.825,8.9 35.55,9.625 35.55,27.5 38,29.95 v1(38,30.4) ; v1(32,32) 36.075,36.075 40.475,36.075 41.4,37 45.557,37 46.482,36.075 49.503,36.075 50.515,37.087 50.515,38.187 52.628,40.3 v1(55.1,40.3)